# Altium PCB AJMG 2550XD Silver Jubilee - wersja prywatna.PcbDoc (part 2 of 2)
Units mm, origin at the board's own origin, x right, y up, seen from the top; angles counter-clockwise.
Board outline 350 x 150 mm, 2 copper layers (Top Layer, Bottom Layer), stack 1.97 mm thick; 147 components, 102 nets, 463 pads, 1 vias.
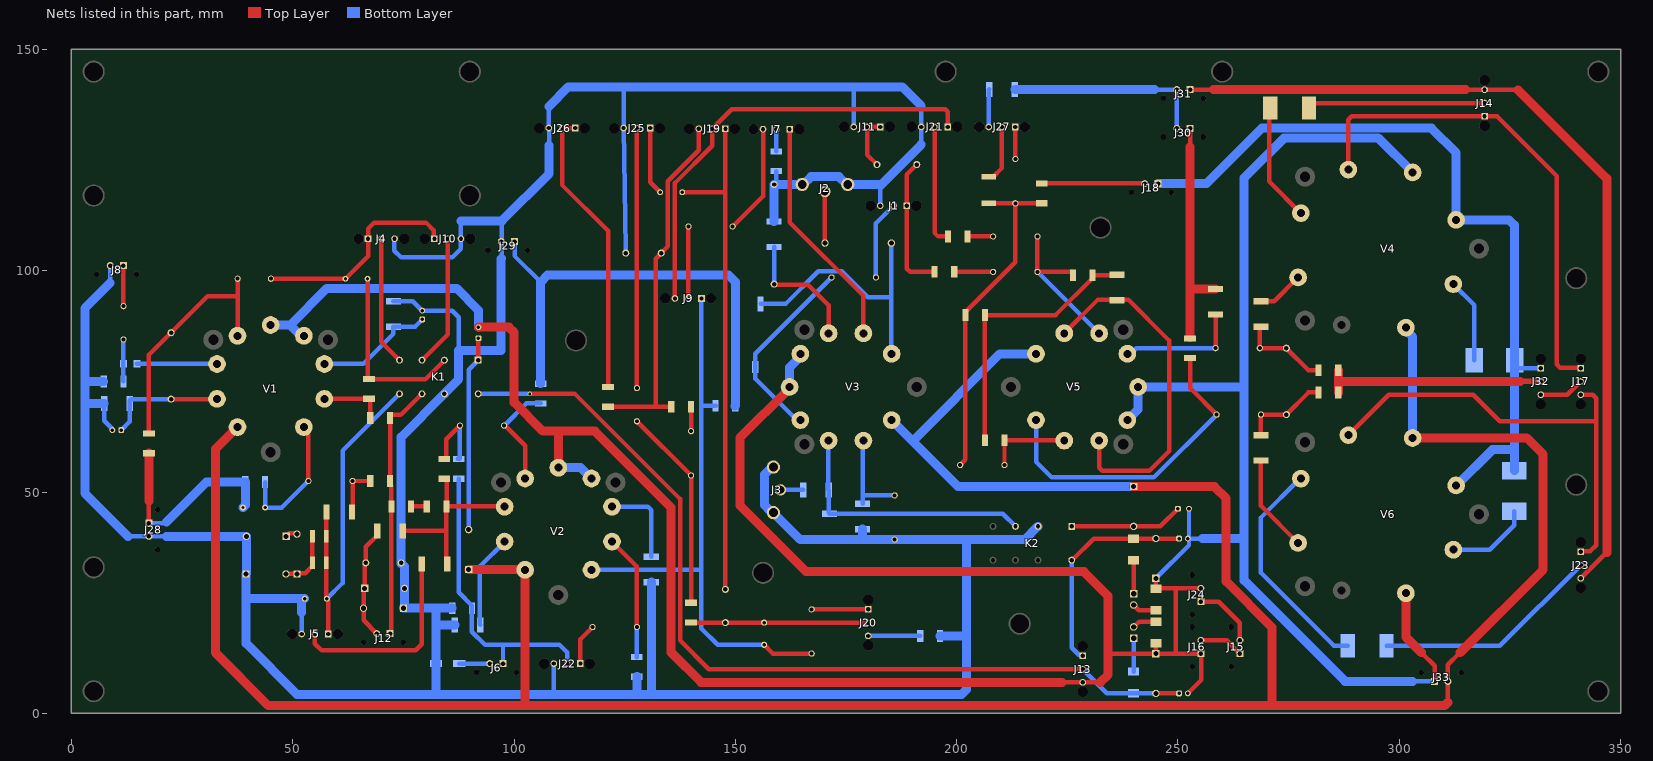
[diagram p2: the nets of this part, all layers, seen from the top]

## Part data (continued)
R31 R50: library part CR2512-JW-562ELF, "RES SMD 2512 5.6K 5% 1W", Case/Package=2512, Manufacturer=Bourns, Max Operating Temperature=155°C, Max Power Dissipation=1W, Min Operating Temperature=-55°C, Package Quantity=4000, Resistance=5.6kR, Resistor Type="Thick Film", Supplier Part Number 1=652-CR2512-JW-562ELF, Temperature Coefficient=200ppm/°C, Tolerance=1%, Category="Chip SMD Resistors", ComponentLink1Description=https://datasheet.ciiva.com/29507/cr2010-29507882.pdf?src-supplier=Digi-Key, ComponentLink1URL=https://datasheet.ciiva.com/29507/cr2010-29507882.pdf?src-supplier=Digi-Key, Height=0.03inch, Length=0.248inch, Manufacturer Part Number=CR2512-JW-562ELF, Mount="Surface Mount", Number of Terminations=2, Packaging="Tape and Reel", Power Rating=1W, Pricing 1="1=0,40000, 10=0,17300, 50=0,17300, 100=0,10900, 1000=0,07100, 10000=0,05900 (USD)", RoHS=Yes, RoHS Compliant=Yes, Series=CR2512, Supplier 1=Mouser, Width=0.122inch
R33 R48: library part 35501K0FT, "RES SMD 3550 1K 1% 5W", Manufacturer="TE Connectivity", Supplier Part Number 1=279-35501K0FT, ComponentLink1Description=http://datasheet.octopart.com/35501K0FT-TE-Connectivity-datasheet-129769421.pdf?src-supplier=Electro+Sonic, ComponentLink1URL=http://datasheet.octopart.com/35501K0FT-TE-Connectivity-datasheet-129769421.pdf?src-supplier=Electro+Sonic, ComponentLink2Description=http://sigma.octopart.com/129769425/technical_drawing/TE-Connectivity-35501K0FT.pdf?src-supplier=TE+Connectivity, ComponentLink2URL=http://sigma.octopart.com/129769425/technical_drawing/TE-Connectivity-35501K0FT.pdf?src-supplier=TE+Connectivity, Manufacturer Part Number=35501K0FT, Pricing 1="1=1,54000, 10=1,33000, 50=1,17000, 100=1,00000, 1000=0,61900, 10000=0,59900 (USD)", Stock 1=810, Supplier 1=Mouser
R35: library part CRM2512-JW-823ELF, "RES SMD 2512 82K 5% 2W", Case/Package=2512, Manufacturer=Bourns, Max Operating Temperature=155°C, Max Power Dissipation=2W, Min Operating Temperature=-55°C, Resistance=82kR, Resistor Type="Thick Film", Supplier Part Number 1=652-CRM2512-JW823ELF, Temperature Coefficient=200ppm/°C, Tolerance=5%, Category="Chip SMD Resistors", ComponentLink1Description=http://www.bourns.com/docs/Product-Datasheets/CRM.pdf?src-supplier=Digi-Key, ComponentLink1URL=http://www.bourns.com/docs/Product-Datasheets/CRM.pdf?src-supplier=Digi-Key, Height=0.031inch, Length=0.248inch, Manufacturer Part Number=CRM2512-JW-823ELF, Number of Terminations=2, Packaging="Tape and Reel", RoHS=Yes, RoHS Compliant=Yes, Supplier 1=Mouser, Width=0.122inch
R37 R40: library part WSC00021R000FEA, "RES SMD 4527 1R 1% 2W", Case/Package=4527, Manufacturer="Vishay Dale", Max Operating Temperature=275°C, Min Operating Temperature=-65°C, Power Rating=2W, Resistance=1R, Resistance Tolerance=1%, Resistor Type=Wirewound, Supplier Part Number 1=71-WSC00021R000FEA, Temperature Coefficient=50ppm/°C, Category="Chip SMD Resistors", ComponentLink1Description=https://datasheet.ciiva.com/16504/wscwsn-16504361.pdf?src-supplier=Future+Electronics, ComponentLink1URL=https://datasheet.ciiva.com/16504/wscwsn-16504361.pdf?src-supplier=Future+Electronics, ComponentLink2Description=https://datasheet.ciiva.com/7717/wscwsn-7717277.pdf?src-supplier=Element14, ComponentLink2URL=https://datasheet.ciiva.com/7717/wscwsn-7717277.pdf?src-supplier=Element14, ComponentLink3Description=https://datasheet.ciiva.com/9109/wscwsn-9109599.pdf?src-supplier=Avnet, ComponentLink3URL=https://datasheet.ciiva.com/9109/wscwsn-9109599.pdf?src-supplier=Avnet, Contact Plating=Tin,Matte, Lead Free="Lead Free", Manufacturer Part Number=WSC00021R000FEA, Number of Pins=2, Packaging="Tape and Reel", Pricing 1="1=1,61000, 10=1,20000, 50=1,20000, 100=1,03000, 1000=0,73900, 10000=0,52200 (USD)", Radiation Hardening=No, REACH SVHC=Unknown, RoHS=Yes, RoHS Compliant=Yes, Size Code=4527, Stock 1=651, Supplier 1=Mouser, Tolerance=1%
R44 R54 R56: library part CRM2512-FX-4700ELF, "RES SMD 2512 470R 1% 2W", Case/Package=2512, Manufacturer=Bourns, Max Operating Temperature=155°C, Max Power Dissipation=2W, Min Operating Temperature=-55°C, Package Quantity=4000, Resistance=470R, Resistor Type="Thick Film", Supplier Part Number 1=652-CRM2512FX4700ELF, Temperature Coefficient=100ppm/°C, Tolerance=1%, Category="Chip SMD Resistors", ComponentLink1Description=https://datasheet.ciiva.com/29521/crm-29521783.pdf?src-supplier=Digi-Key, ComponentLink1URL=https://datasheet.ciiva.com/29521/crm-29521783.pdf?src-supplier=Digi-Key, Construction=Rectangular, Depth=3.1mm, Height=0.031inch, Length=0.248inch, Manufacturer Part Number=CRM2512-FX-4700ELF, Military Standard=Not, Number of Terminations=2, Packaging="Tape and Reel", Power Rating=2W, Pricing 1="1=0,60000, 10=0,37800, 50=0,37800, 100=0,19600, 1000=0,12000, 10000=0,10900 (USD)", RoHS=Yes, RoHS Compliant=Yes, Series=CRM2512, Stock 1=2137, Supplier 1=Mouser, Width=0.122inch
R57: library part CMP-1018-00090-1, "RES SMD 2512 4.7k 5% 1W", Case-EIA=2512, Case-Metric=6432, Power="1 W", Tolerance="5 %", Technology=SMT

## Free pads (board coordinates)
  round 5 hole 4.2: M4(5,5) M4(5,33) M4(5,117) M4(5,145) M4(90,145) M4(90,117) M4(114,84.25) M4(156.25,31.75) M4(197.5,145) M4(214.25,20.25) M4(232.5,109.75) M4(260,145) M4(340,51.667) M4(340,98.333) M4(345,145) M4(345,5)

## Via types
v1: diameter 1, hole 0.6, Top Layer to Bottom Layer, 1 vias

## Nets (pads, with @x,y where several pads share a name; then routed paths per layer and width w, separated by ;. In a path a pad name is that pad's centre, name@x,y a point inside that pad or via, vN(x,y) a via of type N, cw(c..) or ccw(c..) an arc to the next point about the centre after c; other vN are vias at no path point)
B+0: J17.2 J32.3 | length 10.2
  Top Layer w1.016: J32.3@332,72 338,72 J17.2@341,75
B+1: J14.3 J23.3 J31.1 | length 195.2
  Top Layer w1.016: J31.1@252.75,140.935 258,140.935 ; 315,140.935 315.035,140.9 J14.3@319.285,140.9 326.8,140.9 ; J23.3@341,30.5 346.9,36.4
  Top Layer w2.032: 258,140.935 315,140.935 ; 326.8,140.9 339.8,127.9 346.9,120.8 346.9,36.4
B+2: J30.1 R35.1 R45.2 | length 52.9
  Top Layer w1.016: 252.75,128 J30.1@252.75,132.185
  Top Layer w2.032: R45.2@252.75,84.917 252.75,95.875 252.75,128 ; 252.875,95.875 R35.1@258.5,95.875
B+3: J29.1 R2.2 R4.1 R6.2 R32.2 | length 107.9
  Bottom Layer w1.016: J29.1@100.1,106.6 100.1,103.35 106,97.45
  Bottom Layer w2.032: R2.2@106,74.475 106,97.45 107.55,99 148.5,99 150.025,97.475 R4.1@150.025,78.25 150,78.225 150,69.525 R32.2@149.975,69.5
B+4: C1.2 J28.1 R1.2 R3.2 | length 47.3
  Top Layer w1.016: J28.1@17.5,43 17.5,48
  Top Layer w2.032: 17.5,48 R1.2@17.5,58.775
  Bottom Layer w1.016: J28.1@17.5,43 21.25,43 21.5,43.25
  Bottom Layer w2.032: 21.5,43.25 30.5,52.25 R3.2@39.275,52.25 39.275,47.025 C1.2@38.75,46.5
BIAS: J32.2 R36.1 R46.2 | length 50.8
  Top Layer w1.27: 327.25,75 J32.2@332,75
  Top Layer w2.032: R46.2@286.225,72.5 286.225,75 ; R36.1@286.225,77.5 286.225,75 ; 327.25,75 286.225,75
H1: C19.2 C20.2 C27.2 C28.2 D8.1 D10.1 J13.3 J16.1 J24.2 J33.1 R29.1 R41.1 V1.4 V1.5 V2.4 V2.5 V3.4 V3.5 V4.2 V5.4 V5.5 V6.7 | length 767.8
  Top Layer w1.016: V3.5@162.25,73.5 V3.5@162.25,73.75 ; 223.75,7 J13.3@228.5,7 232.5,7 ; 234.75,13.5 D8.1@245,13.5 ; V5.4@238.565,66.256 V5.4@238.965,66.256 ; R29.1@245,15.8 D8.1@245,13.5 ; D10.1@245,30.5 R41.1@245,28.2 245.05,28.25 249.5,28.25 ; C19.2@252.25,4.5 255.315,7.565 255.315,13.37 J16.1@255.185,13.5 249.5,13.5 ; J24.2@255.185,28.25 249.5,28.25 ; 305,13.75 308,10.75 J33.1@308,7.215 ; D8.1@245,13.5 249.5,13.5 ; 249.5,13.5 249.5,28.25
  Top Layer w2.032: C20.2@91.959,87.243 98.81,87.243 100,86.053 100,70.25 106.5,63.75 110,63.75 ; V2.5@110,55.5 110,63.75 ; V2.4@117.494,53.065 V2.4@118.027,53.065 ; V3.5@162.25,73.5 151,62.25 151,47 166,32 228.75,32 234.25,26.5 234.25,8.75 232.5,7 ; 223.75,7 142.25,7 135.5,13.75 135.5,46.5 118.25,63.75 110,63.75 ; V6.7@301.498,27.146 301.498,17.252 305,13.75
  Bottom Layer w1.016: 49.407,87.75 49.428,87.728 ; V1.4@51.842,85.315 V1.4@52.494,85.315 ; V3.4@164.685,80.592 V3.4@164.685,81.244 ; D10.1@245,30.5 252.5,38 252.5,39.173 252.25,39.423 C27.2@252.25,39.5 ; C28.2@252.5,46.25 252.5,39.827 252.25,39.577 C27.2@252.25,39.5 ; 255.5,39.5 C27.2@252.25,39.5 ; 264.75,73.75 264.975,73.975 ; 303,7.215 J33.1@308,7.215
  Bottom Layer w2.032: V1.5@45,87.75 49.407,87.75 ; V1.4@51.842,85.315 49.428,87.728 57.7,96 87,96 91.959,91.041 C20.2@91.959,87.243 ; V2.5@110,55.5 115.059,55.5 V2.4@117.494,53.065 ; V3.5@162.25,73.75 162.25,78.157 V3.4@164.685,80.592 ; V5.4@238.565,66.256 241,68.691 V5.5@241,73.75 264.75,73.75 ; 255.5,39.5 264.975,39.5 ; 303,7.215 287.785,7.215 264.975,30.025 264.975,39.5 ; V4.2@303.03,122.22 295.25,130 274,130 264.975,120.975 264.975,73.975 264.975,39.5
H2: D9.1 D11.1 J33.2 V1.9 V2.9 V3.9 V4.7 V5.9 V6.2 | length 672.4
  Top Layer w1.016: D9.1@89.75,32.5 D9.1@89.782,32.468 ; 102.4,1.5 102.473,1.573 ; 102.4,1.75 102.506,1.856 ; 311,2.5 J33.2@311,7.215 311,11 313.75,13.75
  Top Layer w2.032: V1.9@37.506,64.685 32.5,59.679 32.5,13.75 44.5,1.75 102.4,1.75 ; D9.1@89.782,32.468 V2.9@102.473,32.468 ; 102.494,1.75 271.25,1.75 ; 102.506,1.856 V2.9@102.506,32.435 ; D11.1@240,51.25 258.25,51.25 260.9,48.6 260.9,29.8 271.25,19.45 271.25,1.75 ; V6.2@303.03,62.22 328.78,62.22 332.5,58.5 332.5,32.5 313.75,13.75 ; 311,2.5 310.25,1.75 271.25,1.75
  Bottom Layer w1.016: D9.1@89.75,32.5 D9.1@89.782,32.468 ; V2.9@102.473,32.468 V2.9@102.506,32.435 ; 190.035,61.535 190.035,62.035
  Bottom Layer w2.032: V3.9@185.315,66.256 190.035,61.535 ; V5.9@217.935,81.244 209.744,81.244 190.035,61.535 ; D11.1@240,51.25 200.321,51.25 190.035,61.535 ; V4.7@301.498,87.146 301.498,86.613 303.03,85.082 V6.2@303.03,62.22
NetC1_1: C1.1 C4.1 R3.1 V1.1 | length 30.6
  Top Layer w1.016: V1.1@52.494,64.685 52.494,63.946 53.5,62.941 C4.1@53.5,52.5
  Bottom Layer w1.016: R3.1@43.725,52.25 43.75,52.225 C1.1@43.75,46.5 47.5,46.5 C4.1@53.5,52.5
NetC2_1: C2.1 C10.2 R1.1 V1.6 | length 56.2
  Top Layer w1.016: R1.1@17.5,63.225 17.5,81 C10.2@22.5,86 30.75,94.25 37.55,94.25 ; V1.6@37.506,85.315 37.55,85.359 37.55,94.25 ; C2.1@37.55,98.2 37.55,94.25
NetC2_2: C2.2 C3.1 J4.1 J10.1 | length 48.4
  Top Layer w1.016: C2.2@45.05,98.2 C3.1@61.9,98.2 67,103.3 J4.1@67,107.25 67,109.5 68.4,110.9 80.1,110.9 81.885,109.115 81.885,107.365 J10.1@82,107.25
NetC3_2: C3.2 K1.4 R14.1 | length 41.8
  Top Layer w1.016: C3.2@66.9,98.2 66.9,75.59 66.965,75.525 R14.1@67.2,75.525 79.985,75.525 K1.4@84.27,79.81
NetC4_2: C4.2 R7.1 R10.2 | length 11
  Top Layer w1.016: R7.1@63.5,45.5 C4.2@63.5,52.5 R10.2@67.525,52.5
NetC5_1: C5.1 R2.1 V2.6 | length 24.4
  Top Layer w1.016: C5.1@97.75,65 97.775,64.975 98.025,64.975 102.506,60.494 V2.6@102.506,53.065
  Bottom Layer w1.016: C5.1@97.75,65 102.775,70.025 R2.1@106,70.025
NetC5_2: C5.2 R8.2 R9.1 | length 17.4
  Top Layer w1.016: R9.1@84,57.475 84.625,57.475 84.69,57.54 84.69,61.94 C5.2@87.75,65
  Bottom Layer w1.016: R8.2@87.25,57.475 R8.2@87.5,57.475 87.685,57.475 87.75,57.54 C5.2@87.75,65
NetC6_1: C6.1 R5.2 | length 8.8
  Top Layer w1.016: R5.2@199.475,99.75 C6.1@208.25,99.75
NetC6_2: C6.2 C22.1 R34.2 V5.7 | length 36.7
  Top Layer w1.016: C22.1@218.25,107.75 C6.2@218.25,99.75 226.15,99.75 226.275,99.625 R34.2@226.275,99
  Bottom Layer w1.016: C6.2@218.25,99.75 218.283,99.75 232.157,85.876 V5.7@232.19,85.876 V5.7@232.19,86.21
NetC7_1: C7.1 R4.2 V3.6 | length 43.9
  Bottom Layer w1.016: R4.2@154.475,78.25 154.475,75.651 162.802,67.324 162.809,67.324 163.878,66.256 V3.6@164.685,66.256 ; R4.2@154.475,78.5 154.475,81.225 C7.1@171.75,98.5
NetC7_2: C7.2 J1.2 | length 17.8
  Bottom Layer w1.016: C7.2@181.75,98.5 181.75,110.685 J1.2@185.75,114.685
NetC8_1: C8.1 R6.1 V3.1 | length 60.1
  Bottom Layer w1.016: R6.1@155.681,92.507 155.681,92.5 161.336,92.5 168.744,99.908 174.043,99.908 179.951,94 185.25,94 ; C8.1@185.25,106.25 185.25,94 ; V3.1@185.315,81.244 185.25,81.309 185.25,94
NetC8_2: C8.2 J2.2 | length 11.6
  Top Layer w1.016: C8.2@170.25,106.25 J2.2@170.25,117.9
NetC9_1: C9.1 J8.1 | length 9.2
  Top Layer w1.016: C9.1@11.75,92 J8.1@11.75,101.185
NetC9_2: C9.2 R12.1 R19.2 | length 9.5
  Top Layer w1.016: C9.2@11.75,84.5 C9.2@11.767,84.483
  Bottom Layer w1.016: R19.2@11.725,75 R12.1@11.725,79 11.725,84.475 C9.2@11.75,84.5
NetC10_1: C10.1 C14.1 R24.2 V1.8 | length 27.4
  Top Layer w1.016: C10.1@22.5,71 32.814,71 V1.8@32.874,71.06
  Bottom Layer w1.016: C14.1@11.25,64 13.125,65.875 R24.2@13.125,70 13.125,70.783 13.342,71 C10.1@22.5,71
NetC11_1: C11.1 J11.1 J11.2 | length 12.4
  Top Layer w1.016: C11.1@182,124 179.75,126.25 J11.2@179.75,132.5 J11.1@182.75,132.5
NetC11_2: C11.2 J1.1 R5.1 | length 31
  Top Layer w1.016: C11.2@191,124 188.75,121.75 188.75,100.494 189.494,99.75 R5.1@195.025,99.75
NetC12_1: C12.1 J7.3 | length 24.8
  Top Layer w1.016: C12.1@149.399,110.007 156.25,116.858 J7.3@156.25,132
NetC12_2: C12.2 J9.2 | length 16.3
  Top Layer w1.016: J9.2@139.35,93.75 139.399,93.799 C12.2@139.399,110.007
NetC13_2: C13.2 D1.1 D2.2 J5.1 K1.9 R7.2 | length 80.8
  Top Layer w1.016: R7.2@57.625,45.5 57.613,45.488 57.613,39.413 57.6,39.4 57.6,32.4 57.6,26.022 C13.2@57.7,25.922 ; C13.2@57.7,25.9 57.7,25.878 58,25.578 J5.1@58,17.935 ; K1.9@74.107,72.111 K1.9@74.111,72.111
  Bottom Layer w1.016: C13.2@57.7,25.9 61.25,29.45 61.25,59.33 K1.9@74.11,72.19
NetC15_1: C15.1 R25.2 V1.3 | length 27.2
  Bottom Layer w1.016: V1.3@57.126,78.94 65.94,78.94 72.721,85.721 72.721,87.256 R25.2@72.75,87.285 ; R25.2@72.75,87.375 77.625,87.375 C15.1@79.25,89
NetC16_2: C16.2 D6.1 D7.2 J12.2 R16.1 | length 25.8
  Top Layer w1.016: J12.2@69,18 66,21 D7.2@66,23.75 66,28 D6.1@66.25,28.25 66.25,33.661 66.5,33.911 C16.2@66.5,34 66.5,37.65 69.125,40.275 R16.1@69.125,41.25
NetC17_1: C17.1 R27.2 V3.3 | length 29
  Top Layer w1.016: C17.1@158.75,97 158.862,96.888 166.362,96.888 171.06,92.19 V3.3@171.06,85.876
  Bottom Layer w1.016: C17.1@158.75,97 R27.2@158.75,105.375
NetC18_2: C18.2 R28.2 V3.8 | length 21.5
  Bottom Layer w1.016: R28.2@178.75,47.375 178.75,61.434 V3.8@178.94,61.624 ; 178.845,49.25 C18.2@186,49.25
NetC19_1: C19.1 D8.2 J13.2 K1.16 R30.2 | length 205.1
  Top Layer w1.016: v1(103.579,72.171) 113.767,72.171 137.5,48.438 137.5,16.5 144,10 J13.2@228.5,10 ; D8.2@244.975,4.525 D8.2@245,4.5 C19.1@250.25,4.5
  Bottom Layer w1.016: K1.16@91.89,72.19 91.909,72.171 v1(103.579,72.171) ; J13.2@228.5,10 233.95,4.55 R30.2@240,4.55 240.025,4.525 244.975,4.525 D8.2@245,4.5
NetC20_1: C20.1 D9.2 K1.1 | length 44.2
  Top Layer w1.016: K1.1@91.897,79.818 K1.1@91.89,79.81 91.89,84.674 C20.1@91.959,84.743
  Bottom Layer w1.016: D9.2@89.75,41.5 89.75,77.67 K1.1@91.89,79.81
NetC21_1: C21.1 R35.2 V5.6 | length 29
  Top Layer w1.016: V5.6@238.565,81.244 V5.6@239.304,81.244 ; C21.1@258.5,82.5 R35.2@258.5,90.125
  Bottom Layer w1.016: V5.6@238.565,81.244 239.304,81.244 240.559,82.5 C21.1@258.5,82.5 258.5,82.535 C21.1@258.625,82.66
NetC21_2: C21.2 C25.2 R31.1 R36.2 | length 20.4
  Top Layer w1.016: R31.1@268.75,87.375 268.615,87.375 268.525,87.285 268.525,82.525 C21.2@268.5,82.5 C25.2@274.5,82.5 279.5,77.5 R36.2@281.775,77.5
NetC22_2: C22.2 R38.2 | length 5.8
  Top Layer w1.016: R38.2@202.475,107.75 C22.2@208.25,107.75
NetC23_1: C23.1 C26.2 J9.1 R32.1 V2.1 | length 129.8
  Top Layer w1.016: C23.1@156.5,15.5 158.5,13.5 C26.2@167.25,13.5
  Bottom Layer w1.016: V2.1@117.494,32.435 142.25,32.435 ; J9.1@142.35,93.75 142.35,69.5 ; R32.1@145.525,69.5 142.35,69.5 ; C23.1@156.5,15.5 146,15.5 142.35,19.15 142.35,32.435 142.35,69.5
NetC23_2: C23.2 C24.1 J20.2 R39.2 | length 40
  Top Layer w1.016: R39.2@140,20.525 140.025,20.5 J20.2@180,20.5
NetC24_2: C24.2 C32.2 J19.1 | length 113.8
  Top Layer w1.016: C32.2@138,117.75 147.75,117.75 ; C24.2@147.75,28 147.75,117.75 ; J19.1@147.75,132.1 147.75,117.75
NetC25_1: C25.1 C31.2 R46.1 R50.1 | length 19.7
  Top Layer w1.016: R50.1@268.75,62.875 C31.2@268.75,67.5 C25.1@274.5,67.5 279.5,72.5 R46.1@281.775,72.5
NetC26_1: C26.1 J20.1 | length 12.8
  Top Layer w1.016: C26.1@167.25,23.5 J20.1@180,23.5
NetC27_1: C27.1 D10.2 J13.1 K2.16 R42.2 | length 49.4
  Top Layer w1.016: K2.16@225.978,34.576 K2.16@226,34.554 ; K2.16@226,34.63 226.076,34.63 226.216,34.77 226.27,34.77 230.95,39.45 R42.2@240,39.45 240.025,39.475 244.975,39.475 D10.2@245,39.5 C27.1@250.25,39.5
  Bottom Layer w1.016: K2.16@226,34.63 226,14.8 227.685,13.115 228.385,13.115 J13.1@228.5,13
NetC28_1: C28.1 D11.2 K2.1 | length 25.7
  Top Layer w1.016: K2.1@226,42.25 D11.2@240,42.25 246,42.25 C28.1@250,46.25
NetC29_1: C29.1 J22.1 | length 9.4
  Top Layer w1.016: J22.1@114.994,11.25 114.994,16.744 C29.1@117.75,19.5
NetC29_2: C29.2 R52.2 V2.2 | length 28.4
  Top Layer w1.016: V2.2@122.126,38.81 127.75,33.186 C29.2@127.75,19.5
  Bottom Layer w1.016: R52.2@127.75,12.725 C29.2@127.75,19.5
NetC30_1: C30.1 C34.2 R39.1 | length 46.1
  Top Layer w1.016: C34.2@127.75,66 C30.1@140,53.75 R39.1@140,24.975
NetC30_2: C30.2 R47.1 | length 5.5
  Top Layer w1.016: R47.1@139.975,69.25 139.988,69.237 139.988,63.762 C30.2@140,63.75
NetC31_1: C31.1 R45.1 V5.1 | length 72.8
  Top Layer w1.016: R45.1@252.75,80.275 252.75,73.5 C31.1@258.75,67.5
  Bottom Layer w1.016: V5.1@217.935,66.256 217.935,56.865 221.5,53.3 244.55,53.3 C31.1@258.75,67.5
NetC32_1: C32.1 J25.1 | length 15.4
  Top Layer w1.016: J25.1@130.75,132.25 130.75,120 C32.1@133,117.75
NetC33_2: C33.2 J19.3 R47.2 R51.2 | length 81.2
  Top Layer w1.016: R51.2@121.25,69.275 127.675,69.275 127.7,69.25 132,69.25 ; R47.2@135.525,69.25 132,69.25 ; J19.3@141.75,132.1 141.75,127.22 134.75,120.22 134.75,105.5 132,102.75 132,69.25
NetC34_1: C34.1 J25.2 | length 58.7
  Top Layer w1.016: C34.1@127.75,73.5 J25.2@127.75,132.25
NetC35_1: C35.1 C36.1 R43.1 R55.1 R57.1 | length 77.3
  Top Layer w1.016: C35.1@200.8,56.1 200.8,56.135 201.975,57.31 R43.1@201.975,90 201.975,90.625 213.25,101.9 C36.1@213.25,115.25 ; R57.1@206.22,115.25 R57.1@207.25,115.25 C36.1@213.25,115.25 ; R55.1@219.25,115.275 219.237,115.262 213.262,115.262 C36.1@213.25,115.25
NetC35_2: C35.2 R49.1 V5.2 | length 19.1
  Top Layer w1.016: C35.2@210.8,56.1 210.812,56.112 210.812,61.688 R49.1@210.825,61.7 210.863,61.662 224.272,61.662 V5.2@224.31,61.624
NetC36_2: C36.2 J27.1 | length 7.2
  Top Layer w1.016: J27.1@213.244,132.487 213.247,132.485 213.247,125.253 C36.2@213.25,125.25
NetD1_2: D1.2 D2.1 D3.1 D4.2 | length 13.4
  Top Layer w1.016: D4.2@48.45,31.5 D3.1@50.95,31.5 51.14,31.69 52.82,31.69 54.45,33.32 D2.1@54.45,34 D1.2@54.45,40
NetD3_2: D3.2 D5.1 | length 2.8
  Top Layer w1.016: D5.1@48.5,40 49.195,40.695 50.652,40.695 50.847,40.5 D3.2@50.95,40.5
NetJ3_2: J3.2 R13.2 | length 5.7
  Bottom Layer w1.016: J3.2@159.6,50.5 J3.2@160.2,50.5 R13.2@165.325,50.5
NetJ4_2: J4.2 K1.8 | length 29.1
  Top Layer w1.016: J4.2@70,107.25 70,83.92 K1.8@74.11,79.81
NetJ5_2: J5.2 R11.1 | length 45.6
  Top Layer w1.016: J5.2@55,17.935 55,15.75 56.5,14.25 77.75,14.25 79.125,15.625 R11.1@79.125,33.75
NetJ6_1: J6.1 J22.2 R8.1 R20.2 | length 66
  Bottom Layer w1.016: R8.1@87.5,53.025 87.5,27.35 90.475,24.375 R20.2@90.475,23.75 90.475,18.474 93.449,15.5 97.5,15.5 ; J6.1@97.5,11.25 97.5,15.5 ; J22.2@111.994,11.25 111.994,13.756 110.25,15.5 97.5,15.5
NetJ6_2: J6.2 R21.2 | length 6.9
  Bottom Layer w1.016: R21.2@87.625,11.25 87.875,11.25 J6.2@94.5,11.25
NetJ7_1: J7.1 V3.2 | length 53.7
  Top Layer w1.016: J7.1@162.25,132 162.25,111 178.94,94.31 V3.2@178.94,85.876
  Bottom Layer w1.016: V3.2@178.94,85.876 V3.2@178.94,86.545
NetJ7_2: J7.2 R26.2 | length 5
  Bottom Layer w1.016: R26.2@159.25,126.975 J7.2@159.25,132
NetJ9_3: J9.3 J19.2 J21.1 | length 100.6
  Top Layer w1.016: J9.3@136.35,93.75 136.35,119.85 144.75,128.25 J19.2@144.75,132.1 149.15,136.5 197.405,136.5 198,135.905 J21.1@198,132.5
NetJ10_2: J10.2 K1.6 | length 29.8
  Top Layer w1.016: K1.6@79.19,79.81 85,85.62 J10.2@85,107.25
NetJ12_1: J12.1 K1.11 R10.1 R17.2 R22.1 | length 58.8
  Top Layer w1.016: J12.1@72,18 72.15,18.15 72.15,18.794 72.25,18.894 72.25,46.725 R17.2@72.275,46.75 72.275,51.575 71.975,51.875 R10.1@71.975,52.5 72,52.525 72,66.725 R22.1@71.975,66.75 71.975,67.375 72.04,67.44 74.44,67.44 K1.11@79.19,72.19
NetJ14_1: J14.1 J17.1 V4.3 | length 112.6
  Top Layer w1.016: V4.3@288.502,122.854 288.502,134.156 289.246,134.9 J14.1@319.285,134.9 322.1,134.9 335.6,121.4 335.6,78.859 336.344,78.115 340.885,78.115 J17.1@341,78
NetJ14_2: J14.2 R33.1 | length 41
  Top Layer w1.016: R33.1@279.625,136 279.625,136.91 280.615,137.9 J14.2@319.285,137.9
NetJ15_1: J15.1 J16.2 | length 10.1
  Top Layer w1.016: J16.2@255.185,16.5 261,16.5 J15.1@264,13.5
NetJ15_2: J15.2 J24.1 | length 14.8
  Top Layer w1.016: J24.1@255.185,25.25 259.25,25.25 264,20.5 J15.2@264,16.5
NetJ17_3: J17.3 J23.1 V6.3 | length 103.4
  Top Layer w1.016: V6.3@288.502,62.854 297.647,72 316.75,72 322.75,66 344.5,66 ; J23.1@341,36.5 341.115,36.615 343.115,36.615 344.5,38 344.5,66 ; J17.3@341,72 341.044,71.956 343.756,71.956 344.5,71.212 344.5,66
NetJ18_2: J18.2 R55.2 | length 23.3
  Top Layer w1.016: R55.2@219.25,119.725 242.46,119.725 J18.2@242.5,119.685
NetJ20_3: J20.3 R53.2 | length 11.8
  Bottom Layer w1.016: J20.3@180,17.5 R53.2@191.775,17.5
NetJ21_2: J21.2 R38.1 | length 27.3
  Top Layer w1.016: J21.2@195,132.5 195,108.551 195.801,107.75 R38.1@198.025,107.75
NetJ23_2: J23.2 R48.2 | length 51.4
  Bottom Layer w1.016: R48.2@297.125,15.25 322.75,15.25 J23.2@341,33.5
NetJ26_1: J26.1 J26.2 R51.1 | length 65.8
  Top Layer w1.016: J26.1@113.85,132.25 J26.2@110.85,132.25 110.85,119.4 121.25,109 R51.1@121.25,73.725
NetJ27_2: J27.2 R57.2 | length 13.1
  Top Layer w1.016: R57.2@207.25,121.25 208.28,121.25 210.244,123.214 J27.2@210.244,132.487
NetJ27_3: J27.3 R56.1 | length 8.6
  Bottom Layer w1.016: J27.3@207.244,132.487 207.244,140.869 R56.1@207.375,141
NetK2_6: K2.6 R13.1 R18.2 V3.7 | length 59.6
  Bottom Layer w1.016: V3.7@171.06,61.624 171,61.564 171,50.5 R13.1@171.075,50.5 ; R18.2@171.075,45.3 R13.1@171.075,50.425 ; R18.2@171.25,45.125 210.425,45.125 K2.6@213.3,42.25
NetP1_1: P1.1 R30.1 | length 7.5
  Bottom Layer w1.016: R30.1@240,9.45 P1.1@240,16.98
NetP1_2: P1.2 R29.2 | length 5.5
  Top Layer w1.016: P1.2@240,19.52 241.23,20.75 244.95,20.75 R29.2@245,20.7
NetP2_1: P2.1 R42.1 | length 7.5
  Top Layer w1.016: P2.1@240,27.02 R42.1@240,34.55
NetP2_2: P2.2 R41.2 | length 5.5
  Top Layer w1.016: P2.2@240,24.48 241.18,23.3 R41.2@245,23.3
NetR9_2: R9.2 R11.2 R15.2 R16.2 V2.7 | length 42.4
  Top Layer w1.016: R16.2@74.875,41.25 84.725,41.25 ; R9.2@84.75,53.025 84.738,53.013 84.738,46.762 R15.2@84.725,46.75 ; R11.2@84.875,33.75 84.785,33.84 84.785,35.367 84.725,35.427 84.725,41.25 ; V2.7@97.874,46.69 97.814,46.75 R15.2@84.725,46.75 ; 84.725,41.25 R15.2@84.725,46.75
NetR12_2: R12.2 V1.7 | length 18.2
  Top Layer w1.016: V1.7@32.844,78.97 V1.7@32.874,78.94
  Bottom Layer w1.016: R12.2@14.775,79 14.775,78.955 32.859,78.955 V1.7@32.874,78.94
NetR14_2: R14.2 R22.2 V1.2 | length 14.6
  Top Layer w1.016: V1.2@57.211,70.975 V1.2@57.126,71.06 57.133,71.068 67.193,71.068 R14.2@67.2,71.075 67.485,71.075 67.55,71.01 R22.2@67.55,67
NetR15_1: R15.1 R17.1 | length 3.6
  Top Layer w1.016: R17.1@76.725,46.75 R15.1@80.275,46.75
NetR23_2: R23.2 V2.8 | length 21.2
  Bottom Layer w1.016: R23.2@92.375,20 92.25,20.125 92.25,33.186 V2.8@97.874,38.81
NetR31_2: R31.2 V4.5 | length 10.6
  Top Layer w1.016: R31.2@268.75,93.125 271.769,93.125 V4.5@277.146,98.502
NetR33_2: R33.2 V4.4 | length 27.8
  Top Layer w1.016: R33.2@270.875,137.75 270.625,137.5 270.625,120.185 V4.4@277.78,113.03
NetR34_1: R34.1 R43.2 R44.1 R49.2 | length 62.3
  Top Layer w1.016: R49.2@206.375,61.7 206.4,61.725 206.4,89.975 R43.2@206.425,90 222.35,90 230.725,98.375 R34.1@230.725,99 235.15,99 235.275,99.125 R44.1@236.25,99.125
NetR37_2: R37.2 V4.8 | length 19.2
  Top Layer w1.016: V4.8@312.22,96.97 V4.8@312.25,97
  Bottom Layer w1.016: V4.8@312.22,96.97 316.925,92.265 316.925,80 R37.2@316.925,79.75
NetR40_1: R40.1 V6.8 | length 19.2
  Bottom Layer w1.016: V6.8@312.22,36.97 320.47,36.97 326,42.5 R40.1@326,45.675
NetR44_2: R44.2 V5.3 V5.8 | length 79.8
  Top Layer w1.016: V5.8@224.31,85.876 231.934,93.5 236.25,93.5 238.75,93.5 248,84.25 248,59.25 243.518,54.768 232.934,54.768 232.19,55.512 V5.3@232.19,61.624
NetR48_1: R48.1 V6.4 | length 51.6
  Bottom Layer w1.016: V6.4@277.78,53.03 277.53,53.03 268.75,44.25 268.75,31.75 285.25,15.25 R48.1@288.375,15.25
NetR50_2: R50.2 V6.5 | length 22.1
  Top Layer w1.016: R50.2@268.75,57.125 268.75,46.897 V6.5@277.146,38.502
NetR54_2: R54.2 V2.3 | length 19.8
  Top Layer w1.016: V2.3@122.126,46.69 V2.3@122.156,46.72
  Bottom Layer w1.016: V2.3@122.126,46.69 130.256,46.69 131,45.946 R54.2@131,35.375
PI_GND: J30.2 J31.2 R56.2 | length 45.4
  Bottom Layer w1.016: R56.2@213.125,141 R56.2@213.19,140.935 ; 244.75,140.935 J31.2@249.75,140.935 J30.2@249.75,132.185
  Bottom Layer w2.032: R56.2@213.19,140.935 244.75,140.935
PRE_GND: C13.1 C14.2 C15.2 C16.1 C17.2 C18.1 C33.1 D4.1 D5.2 D6.2 D7.1 J1.3 J2.1A J2.1B J3.1A J3.1B J4.3 J5.3 J8.2 J10.3 J11.3 J21.3 J22.3 J25.3 J26.3 J28.2 J29.2 K1.13 K2.4 R18.1 R19.1 R20.1 R21.1 R23.1 R24.1 R25.1 R26.1 R27.1 R28.1 R52.1 R53.1 R54.1 | length 901.3
  Bottom Layer w1.016: R24.1@7.375,70 7.375,66.125 9.196,64.304 9.196,64.054 C14.2@9.25,64 ; 8.75,97.25 J8.2@8.75,101.185 ; 12.75,40 J28.2@17.5,40 21.5,40 ; 39.45,26 39.55,25.9 ; D4.1@39.45,31.5 D4.1@39.5,31.55 ; J5.3@52,17.935 52,22.75 ; R25.1@72.75,93.125 77.125,93.125 C15.2@79.25,91 86,91 87.5,89.5 87.5,82.006 ; J4.3@72.956,107.25 72.956,104.544 74.5,103 86,103 88,105 J10.3@88,107.25 88,111.25 ; D7.1@75,23.75 75,24.233 D7.1@75.25,24.483 ; J29.2@97.1,106.6 97.206,106.706 97.206,107.098 97.25,107.142 97.25,111.25 ; 97.206,102.75 J29.2@97.206,106.6 ; 107.85,137.1 J26.3@107.85,132.25 107.943,132.157 107.943,128.25 ; 108.994,4.042 108.994,4.25 J22.3@108.994,11.25 ; 124.75,141.55 124.75,141.54 J25.3@124.75,132.25 125.25,105 C33.1@125.25,104 ; J3.1B@158.512,45.438 J3.1B@158.6,45.35 ; J3.1A@158.512,55.562 J3.1A@158.6,55.65 ; C17.2@158.75,119.5 158.75,119.658 159.25,120.158 R26.1@159.25,122.525 ; J11.3@176.75,132.5 176.75,141.55 ; J1.3@182.75,114.685 182.75,119.25 182.75,119.5 ; 192,128.5 J21.3@192,132.5 192,137.25
  Bottom Layer w2.032: R19.1@7.275,75 3,75 ; R24.1@7.375,70 3,70 ; 8.75,97.25 3,91.5 3,75 ; 12.75,40 3,49.75 3,70 ; 21.5,40 D5.2@39.5,40 D4.1@39.5,31.55 ; D4.1@39.45,31.5 39.45,26 39.45,15.8 51,4.25 82.375,4.25 ; 39.55,25.9 C13.1@52.7,25.9 ; 52,22.75 52,25.178 ; C16.1@74.5,33.911 75.25,33.161 D6.2@75.25,28.25 D7.1@75.25,24.483 ; C16.1@74.5,34 74.5,62.42 K1.13@84.27,72.19 ; D7.1@75,23.75 82.312,23.75 ; K1.13@84.41,72.41 87.5,75.5 87.5,82.006 97.1,82.006 97.1,102.644 97.206,102.75 ; R20.1@86.025,23.75 82.312,23.75 ; R23.1@86.625,20 82.375,20 ; 88,111.25 97.25,111.25 107.943,121.943 107.943,128.25 ; 107.85,137.1 112.29,141.54 124.75,141.54 ; 124.75,141.55 137.654,141.55 176.75,141.55 187.7,141.55 192,137.25 ; R52.1@127.75,8.275 127.75,4.25 ; R54.1@131,29.625 131,4.25 ; J3.1B@158.512,45.438 158.25,45.438 157.854,45.834 157.82,45.834 156.63,47.024 156.63,53.976 158.119,55.465 158.415,55.465 J3.1A@158.512,55.562 ; J3.1B@158.6,45.35 164.7,39.25 178.75,39.25 ; R27.1@158.75,111.125 C17.2@158.75,119.5 J2.1B@165.1,119.5 ; J2.1B@165.362,119.5 167.112,121.25 173.388,121.25 175.138,119.5 J2.1A@175.4,119.5 182.75,119.5 ; R28.1@178.75,41.625 178.75,39.25 ; 182.75,119.25 192,128.5 ; R53.1@196.225,17.5 202.25,17.5 ; K2.4@218.38,42.25 215.38,39.25 202.25,39.25 ; 3,70 3,75 ; 82.312,23.75 82.312,20 82.375,20 ; 82.375,4.25 R21.1@82.375,11.25 82.375,20 ; 82.375,4.25 108.994,4.25 127.75,4.25 ; 127.75,4.25 131,4.25 ; 131,4.25 201.06,4.25 202.25,5.44 202.25,17.5 ; 178.75,39.25 C18.1@186,39.25 202.25,39.25 ; 202.25,17.5 202.25,39.25
PWR_GND: J18.1 J32.1 R37.1 R40.2 V4.1 V6.1 | length 181.6
  Bottom Layer w1.016: V6.1@312.854,51.498 V6.1@312.998,51.498 ; R37.1@326.15,77.925 331.925,77.925 J32.1@332,78
  Bottom Layer w2.032: J18.1@245.5,119.685 256.435,119.685 268.982,132.232 307.268,132.232 312.854,126.646 V4.1@312.854,111.498 324.801,111.498 325.991,110.308 325.991,79.834 R37.1@326.075,79.75 326.066,79.741 326.066,77.925 326.066,59.575 ; V6.1@312.998,51.498 321.075,59.575 326.075,59.575 326.075,55.809 R40.2@326,54.825
pads on no net: J1. J4. J5. J6. J7. J8. J9. J10. J11. J12. J13. J14. J15. J16. J17. J18. J19. J20. J21. J22. J23. J24. J25. J26. J27. J28. J29. J30. J31. J32. J33. K2.8 K2.9 K2.11 K2.13 V1.M1 V1.M2 V1.M3 V2.M1 V2.M2 V2.M3 V3.M1 V3.M2 V3.M3 V4.6 V4.M1 V4.M2 V4.M3 V5.M1 V5.M2 V5.M3 V6.6 V6.M1 V6.M2 V6.M3

## Silkscreen, mask and mechanical layers (free items; w line width, h text height)
Top Overlay:
  text "3/5 sw A" at 315.1,141.732 h1 r270
  text "B+1" at 250.084,136.75 h1
  text "2550XD" at 34.409,135.338 h7
  text "AJMG" at 60.647,134.909 h1 r90
  text "presence" at 206.468,128.733 h1
  text "reverb tone" at 174.488,128.403 h1
  text "master volume" at 188.835,128.4 h1
  text "bass 2" at 107.918,128 h1
  text "mid" at 126.5,128 h1
  text "treble" at 141.834,128 h1
  text "dwell" at 157.167,128 h1
  text "B+2" at 249.917,128 h1
  text "Silver Jubilee" at 19.867,120.427 h12
  text "neg feedback" at 238.335,115.417 h1
  text "lead gain" at 89.165,111.433 h1 r180
  text "clean gain" at 74.665,111.333 h1 r180
  text "reverb level" at 180.168,110.5 h1
  text "B+3" at 97.167,102.5 h1
  text "input" at 6.417,97.067 h1
  text "reverb in" at 135.001,89.5 h1
  text "B+0 / bias" at 336.1,70.252 h1 r90
  text "transformer in" at 345.1,68.419 h1 r90
  text "B+4" at 21.6,40.167 h1 r90
  text "reverb sw" at 251.1,31.332 h1 r270
  text "3/5 sw B" at 344.6,29.168 h1 r90
  text "FS switch" at 259.8,19.165 h1 r270
  text "relay sw" at 251.067,18.749 h1 r270
  text "bass 1" at 184.25,17.834 h1 r90
  text "clipping switch" at 63.586,13.867 h1
  text "lead volume" at 49.835,13.8 h1
  text "H1&H2" at 311.735,11.32 h1 r180
  text "FS in" at 232.6,7.751 h1 r90
  text "FX out" at 93.334,7.2 h1
  text "FX in" at 110.251,7.2 h1

## Text inside footprints (layer, text, board x,y; h text height)
C14: Top Overlay "+" at 13.3,63.5 h1
C15: Top Overlay "+" at 78.75,86.95 h1 r270
C19: Top Overlay "+" at 248.2,5 h1 r180
C20: Top Overlay "+" at 91.459,82.293 h1 r270
C27: Top Overlay "+" at 248.2,40 h1 r180
C28: Top Overlay "+" at 247.55,46.75 h1 r180